# Altium PCB US_EPS_GHW.PcbDoc (part 3 of 3)
Units mm, origin at the board's own origin, x right, y up, seen from the top; angles counter-clockwise.
Board outline 89 x 93.3 mm, 4 copper layers (Top Layer, Ground Plane, Signal Layer 1, Bottom Layer), stack 1.643 mm thick; 363 components, 215 nets, 1168 pads, 510 vias.
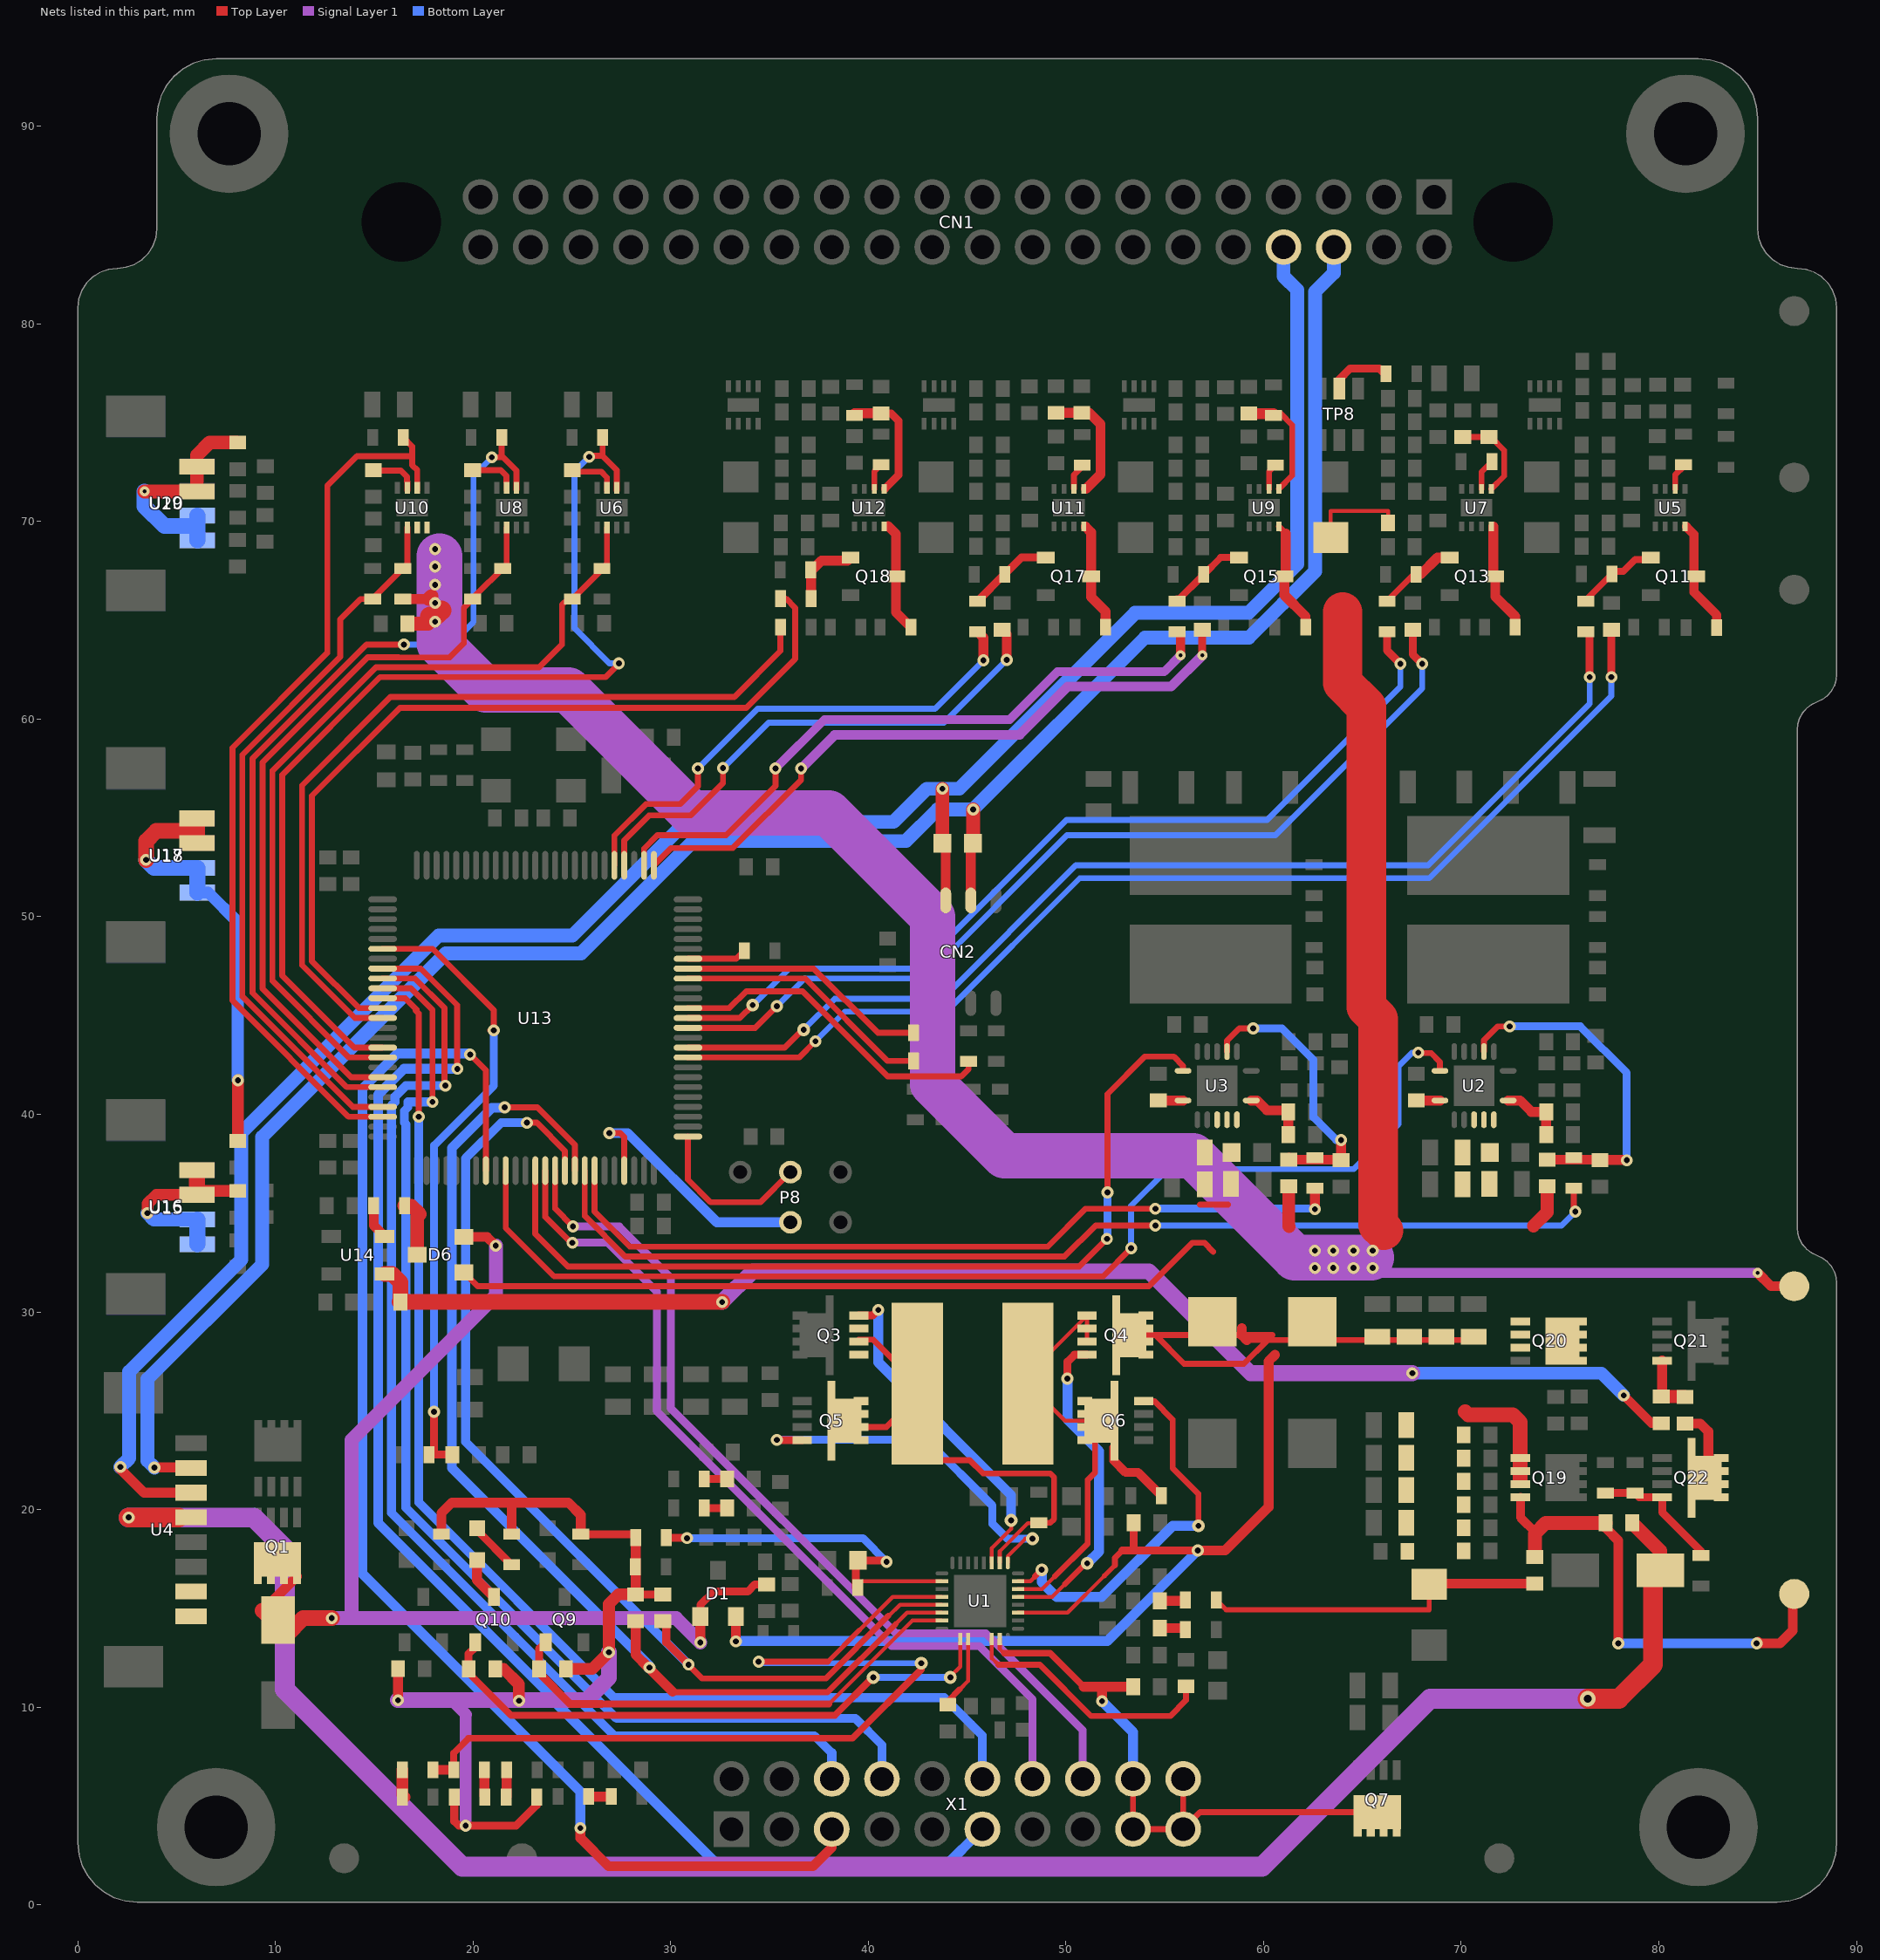
[diagram p5: the nets of this part, all layers, seen from the top]

## Via types
v1: diameter 0.605, hole 0.3, Top Layer to Bottom Layer, tented both sides, 438 vias
v2: diameter 0.65, hole 0.3, Top Layer to Bottom Layer, tented both sides, 23 vias
v3: diameter 0.605, hole 0.3, Top Layer to Bottom Layer, 16 vias
v4: diameter 0.605, hole 0.3, Top Layer to Bottom Layer, tented bottom, 14 vias
v5: diameter 0.51, hole 0.2, Top Layer to Bottom Layer, tented bottom, 10 vias
v6: diameter 0.51, hole 0.2, Top Layer to Bottom Layer, tented both sides, 8 vias
v7: diameter 0.8, hole 0.4, Top Layer to Bottom Layer, tented both sides, 1 vias

## Nets (pads, with @x,y where several pads share a name; then routed paths per layer and width w, separated by ;. In a path a pad name is that pad's centre, name@x,y a point inside that pad or via, vN(x,y) a via of type N, cw(c..) or ccw(c..) an arc to the next point about the centre after c; other vN are vias at no path point) (continued)
NetD4_1: D4.1 Q10.3 | length 2.2
  Top Layer w0.5: D4.1@20.2,17.45 20.2,16.425 Q10.3@21.05,15.575
NetD4_2: D4.2 R43.1 | length 2.6
  Top Layer w0.4: D4.2@20.2,19.05 20.2,18.95 R43.1@21.95,17.2
NetD6_3: D6.3 R143.1 | length 3.1
  Top Layer w0.7: R143.1@16.525,35.375 16.875,35.375 17.3,34.95 17.175,34.825 D6.3@17.175,32.9
NetD7_2: D7.2 R150.1 U4.5 | length 103.3
  Top Layer w0.7: R150.1@78.65,19.325 80.075,17.9 D7.2@80.075,16.925
  Top Layer w1: v1(2.575,19.6) U4.5@5.1,19.6 ; v7(76.4,10.425) 77.975,10.425 79.7,12.15 79.7,16.55 D7.2@80.075,16.925
  Signal Layer 1 w1: v1(2.575,19.6) 8.9,19.6 10.475,18.025 10.475,10.9 19.45,1.925 59.925,1.925 68.425,10.425 v7(76.4,10.425)
NetL1_1: L1.1 Q3.1 Q5.3 R8.2 U1.10 | length 23.6
  Top Layer w0.2: U1.10@46.65,17.3 46.65,17.884 48.066,19.3 R8.2@48.275,19.3
  Top Layer w0.3: Q3.1@39.52,28.595 40.255,28.595 L1.1@42.475,26.375 L1.1@42.475,25.725 ; Q5.3@39.675,24.17 40.92,24.17 L1.1@42.475,25.725 ; R8.2@48.625,19.325 49.2,19.325 49.4,19.525 49.4,21.625 49.2,21.825 45.8,21.825 45.125,22.5 43.575,22.5 42.475,23.6 L1.1@42.475,25.725
NetL1_2: L1.2 Q4.1 Q6.3 R9.2 U1.6 | length 25.3
  Top Layer w0.2: U1.6@47.575,15.975 48.791,15.975 49.441,16.625 ; Q4.1@51.065,28.495 Q4.1@51.065,29.155 Q4.1@51.065,29.815 48.075,26.825 L1.2@48.075,26.375 49.95,24.5 Q6.3@51.762,24.5
  Top Layer w0.3: 49.441,16.625 51.1,18.284 51.1,21.502 51.475,21.877 Q6.3@51.475,24.213
  Top Layer w0.4: Q6.3@51.475,24.213 Q6.3@51.762,24.5
  Top Layer w0.45: Q6.3@52.425,23.133 52.425,22.475 53.025,21.875 53.65,21.875 R9.2@54.825,20.7 R9.2@54.825,20.6
NetP8_3: P8.3 U13.76 | length 8.5
  Top Layer w0.3: U13.76@30.875,38.875 30.875,36.7 32.025,35.55 34.535,35.55 P8.3@36.06,37.075
NetP8_4: P8.4 U13.72 | length 13.6
  Top Layer w0.3: v1(26.9,39.05) 27.45,39.05 27.65,38.85 U13.72@27.65,37.15
  Bottom Layer w0.5: v1(26.9,39.05) 27.825,39.05 32.34,34.535 P8.4@36.06,34.535
NetQ3_2: Q3.2 U1.11 | length 17.3
  Top Layer w0.2: U1.11@46.25,17.3 46.25,18.05 47.225,19.025 v2(47.225,19.45) 47.05,19.45 47.025,19.475 v2@47.05,19.5
  Top Layer w0.4: Q3.2@39.52,29.815 40.215,29.815 v1(40.5,30.1)
  Bottom Layer w0.3: v1@40.5,29.95 v1(40.5,30.1)
  Bottom Layer w0.5: v1@40.5,29.95 40.5,27.45 47.225,20.725 v2(47.225,19.45)
NetQ4_2: Q4.2 U1.5 | length 16.5
  Top Layer w0.2: U1.5@47.575,15.575 49.3,15.575 49.95,16.225
  Top Layer w0.3: 49.95,16.225 51.001,17.276 v2(51.077,17.276)
  Top Layer w0.4: v1(50.075,26.625) 50.075,27.475 50.435,27.835 Q4.2@51.065,27.835
  Bottom Layer w0.5: v1(50.075,26.625) 50.075,24.55 51.675,22.95 51.675,17.873 v2(51.077,17.276)
NetQ5_2: Q5.2 U1.9 | length 18.8
  Top Layer w0.2: U1.9@47.05,17.3 47.05,17.625 47.95,18.525 v2(48.301,18.525)
  Top Layer w0.4: v1(35.375,23.525) 35.39,23.51 Q5.2@36.65,23.51
  Bottom Layer w0.4: v1(35.375,23.525) 42.95,23.525 46.275,20.2 46.275,19.275 47.025,18.525 v2(48.301,18.525)
NetQ6_2: Q6.2 U1.7 | length 19.6
  Top Layer w0.2: U1.7@47.575,16.375 48.2,16.375 48.425,16.6
  Top Layer w0.3: 48.425,16.6 v2(48.775,16.95) ; Q6.2@53.907,25.49 Q6.2@53.935,25.49 54.467,25.49 55.4,24.557 55.4,22.1 56.7,20.8 v2(56.7,19.175)
  Bottom Layer w0.5: v2(48.775,16.95) 48.775,16.325 49.525,15.575 51.8,15.575 55.4,19.175 v2(56.7,19.175)
NetQ11_1: Q11.1 R79.1 R81.1 | length 5.9
  Top Layer w0.3: R79.1@76.3,65.975 76.3,66.022 R81.1@77.625,67.347 ; R79.1@76.475,66.175 R81.1@77.775,67.475
  Top Layer w0.35: R81.1@77.775,67.475 78.2,67.475 78.8,68.075 79.5,68.075 Q11.1@79.6,68.175
NetQ11_3: Q11.3 R78.2 U5.4 | length 5.6
  Top Layer w0.45: U5.4@81.4,69.75 81.4,69.725 81.775,69.35 81.775,66.425 82.925,65.275 R78.2@82.925,64.825
NetQ13_1: Q13.1 R97.1 R98.2 | length 4.2
  Top Layer w0.3: R97.1@66.375,65.975 R97.1@66.25,65.975 67.6,67.325 R98.2@67.725,67.325
  Top Layer w0.5: R98.2@67.725,67.325 67.95,67.325 68.8,68.175 Q13.1@69.425,68.175
NetQ13_3: Q13.3 R96.1 U7.4 | length 5.6
  Top Layer w0.5: U7.4@71.625,69.75 71.625,67.325 Q13.3@71.725,67.225 71.725,66.2 72.725,65.2 R96.1@72.725,64.65
NetQ15_1: Q15.1 R112.1 R114.2 | length 4.1
  Top Layer w0.35: R112.1@55.625,65.975 R114.2@56.975,67.325 57.825,68.175 Q15.1@58.75,68.175
  Top Layer w0.5: R112.1@55.625,65.975 R112.1@55.625,66.011 ; R114.2@56.939,67.325 R114.2@56.975,67.325
NetQ15_3: Q15.3 R111.1 U9.4 | length 5.7
  Top Layer w0.3: U9.4@60.775,69.75 61.125,69.4 ; Q15.3@61.05,67.225 Q15.3@61.125,67.3
  Top Layer w0.5: Q15.3@61.05,67.225 61.05,66.275 62.125,65.2 R111.1@62.125,64.65 ; Q15.3@61.125,67.3 61.125,69.4
NetQ17_1: Q17.1 R128.1 R129.2 | length 4.4
  Top Layer w0.4: R128.1@45.525,65.975 46.875,67.325 R129.2@46.9,67.325 47.75,68.175 Q17.1@48.975,68.175
NetQ17_3: Q17.3 R126.1 U11.4 | length 5.5
  Top Layer w0.4: U11.4@50.95,69.725 U11.4@50.95,69.75
  Top Layer w0.5: U11.4@51,69.75 51,69.725 51.275,69.45 Q17.3@51.275,67.225 51.275,66.175 52,65.45 R126.1@52,64.65
NetQ18_1: Q18.1 R140.1 R141.2 | length 3.7
  Top Layer w0.5: R140.1@37.1,66.125 37.1,67.541 R141.2@37.091,67.55 37.161,67.55 37.636,68.025 38.95,68.025 Q18.1@39.1,68.175
NetQ18_3: Q18.3 R139.1 U12.4 | length 5.6
  Top Layer w0.5: 41,69.775 41.4,69.375 Q18.3@41.4,67.225 41.4,65.4 R139.1@42.15,64.65
NetQ19_2: Q19.2 R150.2 R151.2 TP12.0 | length 24.6
  Top Layer w0.45: Q19.2@73,20.62 73,19.6 73.775,18.825 ; R151.2@73.725,17.6 R151.2@73.775,17.65
  Top Layer w0.5: R150.2@77.3,19.325 77.3,19.075 77.95,18.425 v1(77.95,13.225) ; v1@85.025,13.3 v1(84.95,13.225) 86.125,13.225 86.775,13.875 TP12.0@86.775,15.725
  Top Layer w0.7: R151.2@73.725,17.6 73.725,18.775 73.775,18.825 74.275,19.325 R150.2@77.3,19.325
  Bottom Layer w0.5: v1(77.95,13.225) v1(84.95,13.225)
NetQ21_2: Q21.2 R154.1 R155.2 | length 3
  Top Layer w0.5: R154.1@80.125,25.714 80.167,25.756 Q21.2@80.167,27.535
  Top Layer w0.65: R154.1@80.125,25.714 81.311,25.714 R155.2@81.325,25.7
NetQ22_2: Q22.2 R156.1 R157.1 R158.2 | length 6.7
  Top Layer w0.4: R157.1@77.3,20.832 R156.1@78.8,20.832 79.012,20.62 Q22.2@80.167,20.62 80.167,19.858 82.125,17.9 R158.2@82.125,17.675
NetQ22_3: Q22.3 R155.1 | length 3.9
  Top Layer w0.5: R155.1@81.325,24.35 82.1,24.35 82.5,23.95 82.5,22.072 82.175,21.747 Q22.3@82.312,21.61
NetR3_1: R3.1 R6.2 | length 1.3
  Top Layer w0.3: R6.2@32.775,19.925 R6.2@32.875,19.825
  Top Layer w0.4: R3.1@31.7,20.075 R6.2@32.85,20.075
NetR4_1: R4.1 R7.2 | length 1.2
  Top Layer w0.254: R7.2@32.85,21.55 R7.2@32.875,21.55
  Top Layer w0.4: R4.1@31.7,21.55 R7.2@32.85,21.55
NetR11_1: R11.1 R12.2 | length 1.3
  Top Layer w0.32: R12.2@56,15.375 R12.2@56.05,15.425
  Top Layer w0.5: R11.1@54.75,15.375 R12.2@56,15.375
NetR15_1: R15.1 R16.2 | length 1.3
  Top Layer w0.32: R16.2@55.975,14 R16.2@56.05,13.925
  Top Layer w0.5: R15.1@54.75,14 R16.2@55.975,14
NetR20_1: R20.1 R120.2 U13.31 | length 32.1
  Top Layer w0.3: U13.31@15.425,48.375 17.95,48.375 21.05,45.275 v1(21.05,44.25) v1@20.875,44.25
  Top Layer w0.4: v1(18.025,24.95) 18.025,23.025 R20.1@17.775,22.775 R120.2@18.95,22.775
  Bottom Layer w0.4: v1(18.025,24.95) 18.025,38.425 21.05,41.45 v1(21.05,44.25)
NetR23_2: R23.2 U1.30 | length 13
  Top Layer w0.2: U1.30@46.25,13.45 46.25,12.475 46.575,12.15
  Top Layer w0.3: 46.575,12.15 48.675,12.15 51.275,9.55 55.275,9.55 56.075,10.35 R23.2@56.075,11.05
NetR26_1: R26.1 U1.22 U13.67 | length 59.3
  Top Layer w0.2: 41.385,14.207 41.953,14.775 U1.22@43.725,14.775
  Top Layer w0.3: v1(21.6,40.35) 23.25,40.35 25.15,38.45 U13.67@25.15,37.15 ; v1@28.85,12.025 28.875,12 v1@28.9,11.975 ; 30.125,10.75 37.928,10.75 41.385,14.207
  Top Layer w0.5: R26.1@28.225,14.35 28.225,12.65 v1@28.85,12.025 ; v1@28.875,12 v1(28.925,12) ; v1@28.9,11.975 30.099,10.776
  Bottom Layer w0.5: v1(21.6,40.35) 21.578,40.328 20.953,40.328 18.925,38.3 18.925,22.1 28.925,12.1 v1(28.925,12)
NetR27_2: R27.2 U1.21 U13.66 | length 55
  Top Layer w0.2: 41.039,14.611 41.039,14.614 41.6,15.175 U1.21@43.725,15.175
  Top Layer w0.3: v1(22.725,39.575) 23.225,39.575 24.65,38.15 U13.66@24.65,37.15 ; v1(30.9,12.15) 31.602,11.448 37.843,11.448 41.007,14.611
  Top Layer w0.4: R27.2@29.775,14.35 29.775,13.275 v1(30.9,12.15)
  Bottom Layer w0.45: v1(22.725,39.575) 21.425,39.575 19.625,37.775 19.625,23.425 v1(30.9,12.15)
NetR28_2: R28.2 U1.27 | length 3.7
  Top Layer w0.2: R28.2@44.025,10.125 R28.2@44.025,10.3 ; 44.625,10.9 45.05,11.325 U1.27@45.05,13.45
  Top Layer w0.3: R28.2@44.025,10.3 44.625,10.9
NetR33_2: R33.2 U6.7 | length 2.5
  Top Layer w0.3: R33.2@25.025,72.525 26.475,72.525 26.775,72.225 U6.7@26.775,71.7 U6.7@26.775,71.575
NetR37_1: R37.1 R40.2 | length 1.4
  Top Layer w0.5: R37.1@21.675,5.45 21.7,5.475 R40.2@21.7,6.825
NetR38_1: R38.1 R41.2 | length 1.3
  Top Layer w0.5: R38.1@20.575,5.525 R41.2@20.575,6.825
NetR47_1: R47.1 R49.2 | length 1.2
  Top Layer w0.5: R47.1@25.85,5.475 R49.2@27,5.475
NetR48_1: R48.1 R50.2 | length 1.4
  Top Layer w0.6: R48.1@16.425,6.825 16.425,5.55 R50.2@16.525,5.45
NetR51_1: R51.1 R52.1 R55.2 U2.10 | length 17.5
  Top Layer w0.3: U2.10@71.15,43.175 71.15,43.75 71.85,44.45 v1(72.45,44.45)
  Top Layer w0.5: R51.1@74.35,37.7 77.011,37.7 R55.2@77.025,37.686 78.364,37.686 v1(78.375,37.675)
  Bottom Layer w0.4: v1(72.45,44.45) 76.025,44.45 78.375,42.1 v1(78.375,37.675)
NetR52_2: R52.2 U13.68 | length 55.4
  Top Layer w0.3: U13.68@25.65,37.15 25.65,34.85 27.7,32.8 49.925,32.8 51.5,34.375 v1(54.525,34.375) ; R52.2@75.7,36.25 75.7,35.15 v1(75.775,35.075)
  Bottom Layer w0.3: v1(54.525,34.375) 75.075,34.375 v1(75.775,35.075)
NetR53_1: R53.1 R58.2 U2.7 | length 3.3
  Top Layer w0.5: U2.7@72.375,40.7 72.975,40.7 73.55,40.125 R53.1@74.3,40.125 R58.2@74.3,38.968
NetR56_2: R56.2 U2.1 | length 1.2
  Top Layer w0.5: R56.2@67.725,40.7 U2.1@68.925,40.7
NetR60_1: R60.1 R61.1 R64.2 U3.10 | length 14.4
  Top Layer w0.3: U3.10@58.15,43.175 58.15,43.725 58.775,44.35 v1(59.475,44.35)
  Top Layer w0.5: R60.1@61.25,37.75 R60.1@61.3,37.8 ; R60.1@61.275,37.7 63.911,37.7 R64.2@63.925,37.686 v1(63.925,38.7)
  Bottom Layer w0.4: v1(59.475,44.35) 60.925,44.35 62.525,42.75 62.525,39.85 63.675,38.7 v1(63.925,38.7)
NetR61_2: R61.2 U13.69 | length 41.1
  Top Layer w0.3: U13.69@26.15,37.15 26.15,35.075 27.925,33.3 49.075,33.3 51,35.225 v1(54.525,35.225)
  Top Layer w0.5: v1(62.6,35.2) R61.2@62.6,36.25
  Bottom Layer w0.4: v1(54.525,35.225) 62.575,35.225 v1(62.6,35.2)
NetR62_1: R62.1 R67.2 U3.7 | length 3.3
  Top Layer w0.5: U3.7@59.375,40.7 59.675,40.7 60.175,40.2 61.2,40.2 R62.1@61.275,40.125 ; R67.2@61.25,38.968 R62.1@61.25,40.107
NetR65_2: R65.2 U3.1 | length 1.2
  Top Layer w0.5: R65.2@54.675,40.7 U3.1@55.925,40.7
NetR75_2: R75.2 U5.6 | length 1.3
  Top Layer w0.3: U5.6@80.825,71.65 80.825,72.35 R75.2@81.275,72.8
NetR76_1: R76.1 U13.84 | length 57.8
  Top Layer w0.3: U13.84@30.875,42.875 36.5,42.875 v1(37.325,43.7)
  Top Layer w0.4: v1@77.6,62.025 v1(77.6,62.125) R76.1@77.6,64.525 R76.1@77.6,64.625
  Bottom Layer w0.3: v1(37.325,43.7) 38.825,45.2 43.95,45.2 50.7,51.95 68.382,51.95 77.6,61.168 v1@77.6,62.025
NetR79_2: R79.2 U13.85 | length 56.6
  Top Layer w0.3: U13.85@30.875,43.375 35.775,43.375 36.677,44.277 v2(36.727,44.277)
  Top Layer w0.4: R79.2@76.3,64.425 76.5,64.225 v1(76.5,62.125)
  Bottom Layer w0.3: v2@36.727,44.327 v2(36.727,44.277) 38.3,45.85 43.75,45.85 50.5,52.6 68.325,52.6 76.5,60.775 v1(76.5,62.125)
NetR82_2: R82.2 R83.1 U6.2 U13.42 | length 42.1
  Top Layer w0.3: U13.42@15.425,42.875 13.725,42.875 9.848,46.752 9.848,57.387 15.086,62.625 16.02,62.625 16.023,62.623 23.348,62.623 24.5,63.775 24.5,65.775 24.8,66.075 R82.2@25.025,66.075 26.525,67.575 R83.1@26.525,67.625 26.775,67.875 U6.2@26.775,69.675
NetR84_1: R84.1 R99.2 U8.2 U13.44 | length 38.8
  Top Layer w0.3: 14.689,63.125 14.668,63.125 9.348,57.805 9.348,46.352 13.825,41.875 U13.44@15.425,41.875 ; 14.69,63.126 16.227,63.126 16.23,63.123 18.822,63.123 19.531,63.831 19.531,65.631 R99.2@19.975,66.075 19.975,66.1 21.7,67.825 U8.2@21.7,69.7
NetR85_2: R85.2 U8.7 | length 2.6
  Top Layer w0.3: R85.2@19.95,72.6 19.952,72.598 21.402,72.598 21.685,72.315 21.685,71.99 21.7,71.975 U8.7@21.7,71.7 U8.7@21.7,71.6
NetR87_1: R87.1 U6.6 U13.41 | length 51.3
  Top Layer w0.3: U13.41@15.425,43.375 13.993,43.375 10.348,47.02 10.348,57.18 15.293,62.125 15.813,62.125 15.816,62.123 26.698,62.123 27.375,62.8 v1(27.375,62.825) ; v1(25.875,73.275) 25.925,73.325 26.55,73.325 ; 26.55,73.825 26.55,73.325 ; U6.6@27.275,71.575 U6.6@27.275,71.7 27.275,72.6 26.55,73.325
  Bottom Layer w0.3: v1(25.875,73.275) 25.125,72.525 25.125,64.6 26.9,62.825 v1(27.375,62.825)
NetR90_2: R90.2 TP8.5 | length 3.3
  Top Layer w0.4: TP8.5@63.775,76.675 TP8.5@63.825,76.725 63.825,77.191 64.384,77.75 65.85,77.75 R90.2@66.2,77.4
NetR92_2: R92.2 U7.6 | length 1.6
  Top Layer w0.3: U7.6@71.025,71.65 71.025,72.5 R92.2@71.55,73.025
NetR93_1: R93.1 R95.2 U7.5 | length 4.6
  Top Layer w0.3: R95.2@70.075,74.275 R93.1@71.4,74.275 71.495,74.275 72.175,73.595 72.175,72.3 U7.5@71.525,71.65
NetR94_2: R94.2 U13.87 | length 47.5
  Top Layer w0.3: U13.87@30.875,44.375 34.275,44.375 v1(35.375,45.475)
  Top Layer w0.4: R94.2@67.55,64.525 67.55,63.275 v1(68.025,62.8)
  Bottom Layer w0.3: v1@35.45,45.475 v1(35.375,45.475) 36.775,46.875 42.8,46.875 50.05,54.125 60.6,54.125 68.025,61.55 v1(68.025,62.8)
NetR97_2: R97.2 U13.88 | length 46.1
  Top Layer w0.3: U13.88@30.875,44.875 33.5,44.875 v2(34.15,45.525)
  Top Layer w0.4: R97.2@66.25,64.425 66.25,63.475 v1(66.925,62.8)
  Bottom Layer w0.3: v2(34.15,45.525) 36,47.375 42.5,47.375 50.025,54.9 60.175,54.9 66.925,61.65 v1(66.925,62.8)
NetR101_1: R101.1 R105.2 U10.2 U13.47 | length 37
  Top Layer w0.3: U13.47@15.425,40.375 13.911,40.375 8.325,45.961 8.325,58.196 13.275,63.146 13.275,65.05 14.3,66.075 R105.2@14.925,66.075 14.925,66.1 16.675,67.85 U10.2@16.675,69.7
NetR104_2: R104.2 U10.7 | length 2.5
  Top Layer w0.3: R104.2@14.95,72.575 16.35,72.575 16.66,72.265 16.66,72.04 16.675,72.025 U10.7@16.675,71.7 U10.7@16.675,71.575
NetR107_1: R107.1 U8.6 U13.45 | length 46.7
  Top Layer w0.3: U13.45@15.425,41.375 13.618,41.375 8.848,46.145 8.848,58.012 14.611,63.775 v1(16.5,63.775) ; v1(20.95,73.25) 21.375,73.25 21.45,73.325 ; R107.1@21.45,74.25 21.45,73.325 ; U8.6@22.2,71.6 U8.6@22.2,71.7 22.2,72.575 21.45,73.325
  Bottom Layer w0.3: v1(16.5,63.775) 18.831,63.775 18.856,63.8 18.878,63.778 20.025,64.925 20.025,72.325 v1(20.95,73.25)
NetR108_1: R108.1 U9.6 | length 1.3
  Top Layer w0.3: U9.6@60.275,71.65 60.275,72.525 R108.1@60.6,72.85
NetR109_2: R109.2 R113.2 U9.5 | length 5.9
  Top Layer w0.3: R113.2@60.5,75.464 60.861,75.464 61.45,74.875 61.45,72.325 U9.5@60.775,71.65
  Top Layer w0.55: R109.2@59.25,75.464 R113.2@60.5,75.464
NetR110_2: R110.2 U13.1 | length 33.9
  Top Layer w0.3: U13.1@29.15,52.6 30.025,53.475 33.15,53.475 36.6,56.925 v1@36.6,57.425 ; R110.2@56.9,64.525 R110.2@56.9,64.7
  Top Layer w0.4: v6(56.9,63.225) R110.2@56.9,64.525
  Signal Layer 1 w0.5: v1(36.6,57.5) 38.3,59.2 47.65,59.2 50.1,61.65 55.325,61.65 v6(56.9,63.225)
NetR112_2: R112.2 U13.2 | length 33.9
  Top Layer w0.3: U13.2@28.65,52.6 28.65,53.45 29.325,54.125 32.8,54.125 35.3,56.625 v1(35.3,57.5) ; R112.2@55.575,64.375 R112.2@55.625,64.425 R112.2@55.8,64.25
  Top Layer w0.45: v6(55.8,63.225) R112.2@55.8,64.25
  Signal Layer 1 w0.45: v1(35.3,57.5) 37.775,59.975 47.15,59.975 49.575,62.4 54.975,62.4 v6(55.8,63.225)
NetR118_2: R118.2 U13.94 | length 3
  Top Layer w0.3: U13.94@30.875,47.875 33.325,47.875 R118.2@33.725,48.275
NetR121_1: R121.1 U11.6 | length 1.4
  Top Layer w0.3: U11.6@50.4,71.65 50.4,72.35 R121.1@50.875,72.825
NetR122_2: R122.2 R127.2 U11.5 | length 6.1
  Top Layer w0.5: R127.2@49.5,75.5 R122.2@50.8,75.5 51.175,75.5 51.75,74.925 51.75,72.389 51.011,71.65 U11.5@51,71.65
NetR123_2: R123.2 U13.4 | length 26.6
  Top Layer w0.3: U13.4@27.65,52.6 27.65,53.864 28.911,55.125 31,55.125 32.65,56.775 v1(32.65,57.525) ; R123.2@46.775,64.525 R123.2@46.775,64.7
  Top Layer w0.5: R123.2@46.775,64.525 47,64.3 v1(47,63)
  Bottom Layer w0.3: v1(32.65,57.525) 34.95,59.825 43.825,59.825 v1(47,63)
NetR128_2: R128.2 U13.5 | length 26
  Top Layer w0.3: U13.5@27.15,52.6 27.15,54.1 28.75,55.7 30.475,55.7 31.375,56.6 v1(31.375,57.5)
  Top Layer w0.5: R128.2@45.525,64.425 45.825,64.125 v1(45.825,62.975)
  Bottom Layer w0.3: v1(31.375,57.5) 34.4,60.525 43.375,60.525 v1(45.825,62.975)
NetR130_1: R130.1 U10.6 U13.48 | length 46
  Top Layer w0.3: U13.48@15.425,39.875 13.704,39.875 7.825,45.754 7.825,58.55 12.625,63.35 12.625,71.8 14.125,73.3 16.925,73.3 ; R130.1@16.475,74.25 16.925,73.8 16.925,73.3 ; U10.6@17.175,71.575 U10.6@17.175,71.7 17.175,72.6 16.925,72.85 16.925,73.3
NetR135_1: R135.1 U12.6 | length 1.4
  Top Layer w0.3: U12.6@40.3,71.65 40.3,72.525 R135.1@40.65,72.875
NetR136_1: R136.1 R138.2 U12.5 | length 6.1
  Top Layer w0.4: R136.1@40.65,75.475 41.15,75.475 41.525,75.1 41.525,72.35 40.85,71.675 U12.5@40.85,71.65
  Top Layer w0.5: R138.2@39.3,75.475 R136.1@40.65,75.475
NetR137_2: R137.2 U13.38 | length 42.5
  Top Layer w0.3: U13.38@15.425,44.875 14.018,44.875 11.348,47.545 11.348,56.648 15.823,61.123 33.223,61.123 35.55,63.45 R137.2@35.55,64.65
NetR140_2: R140.2 U13.37 | length 43.8
  Top Layer w0.3: U13.37@15.425,45.375 14.225,45.375 11.847,47.753 11.847,56.123 16.3,60.575 33.825,60.575 36.3,63.05 36.3,65.625 35.825,66.1 R140.2@35.55,66.1
NetR143_2: R143.2 U14.3 | length 1.8
  Top Layer w0.5: R143.2@14.975,35.375 14.975,34.375 U14.3@15.525,33.825
NetR159_1: R159.1 U13.93 | length 12.8
  Top Layer w0.3: U13.93@30.875,47.375 37.232,47.375 40.482,44.125 R159.1@42.3,44.125
NetR161_1: R161.1 U13.92 | length 13.2
  Top Layer w0.3: U13.92@30.875,46.875 36.8,46.875 40.975,42.7 R161.1@42.3,42.7
NetR163_1: R163.1 U13.89 | length 16.9
  Top Layer w0.3: U13.89@30.875,45.375 32.975,45.375 33.825,46.225 36.675,46.225 40.975,41.925 44.7,41.925 45.075,42.3 R163.1@45.075,42.682
NetR166_2: R166.2 U15.3 U15.4 U16.3 U16.4 | length 10.5
  Top Layer w0.6: v1(3.525,35) 3.525,35.475 3.975,35.925 U16.3@6.025,35.925 6.225,36.125 R166.2@8.093,36.125
  Top Layer w0.8: U16.3@6.025,35.925 U16.4@6.025,37.175
  Bottom Layer w0.7: v1(3.525,35) 3.85,34.675 U15.3@6.05,34.675
  Bottom Layer w0.8: U15.4@6.05,33.425 U15.3@6.05,34.675
NetR168_2: R168.2 U17.3 U17.4 U18.3 U18.4 | length 22.8
  Top Layer w0.6: R168.2@8.093,38.65 8,38.743 8.1,38.843 v1(8.1,41.725)
  Top Layer w0.8: v1(3.45,52.875) 3.45,53.825 3.975,54.35 6.025,54.35 ; U17.3@6.025,53.725 6.025,54.35 ; U17.4@6.025,54.975 6.025,54.35
  Bottom Layer w0.6: U18.4@6.05,51.225 6.6,51.225 8.093,49.732 8.093,41.732 v1(8.1,41.725)
  Bottom Layer w0.8: v1(3.45,52.875) 3.85,52.475 U18.3@6.05,52.475 U18.4@6.05,51.225
NetR170_2: R170.2 U19.3 U19.4 U20.3 U20.4 | length 11.9
  Top Layer w0.7: v6(3.375,71.525) U19.3@6.025,71.525 U19.4@6.025,72.775 6.025,73.35 6.675,74 R170.2@8.05,74
  Bottom Layer w0.8: v6(3.375,71.525) 3.375,70.775 4.375,69.775 6.05,69.775 ; U20.4@6.05,69.05 6.05,69.775 ; U20.3@6.05,70.3 6.05,69.775
NetU2_14: U2.14 U13.60 | length 59.5
  Top Layer w0.3: U13.60@21.65,37.15 21.65,34.25 24.1,31.8 51.875,31.8 v1(53.3,33.225) ; v1(67.825,43.125) 67.85,43.1 68.475,43.1 68.925,42.65 U2.14@68.925,42.2
  Bottom Layer w0.3: v1(53.3,33.225) 53.3,35.375 55.15,37.225 64.55,37.225 66.825,39.5 66.825,42.425 67.525,43.125 v1(67.825,43.125)
NetU3_14: U3.14 U13.63 | length 45.8
  Top Layer w0.3: U13.63@23.15,37.15 23.15,33.95 24.8,32.3 50.675,32.3 v1(52.075,33.7) ; v1(52.1,36.05) 52.1,41.025 54,42.925 55.45,42.925 55.925,42.45 U3.14@55.925,42.2
  Bottom Layer w0.4: v1(52.075,33.7) 52.1,33.725 v1(52.1,36.05)
NetU13_33: U13.33 X1.11 | length 72.7
  Top Layer w0.3: U13.33@15.425,47.375 17.35,47.375 19.198,45.528 19.198,42.302 v1(19.2,42.3)
  Bottom Layer w0.5: v1(19.2,42.3) 16.497,42.3 15.198,41 15.198,19.317 23.878,10.637 23.878,10.522 32.55,1.85 43.795,1.85 X1.11@45.77,3.825
NetU13_34: U13.34 X1.6 | length 60.2
  Top Layer w0.3: U13.34@15.425,46.875 17.057,46.875 18.547,45.385 18.547,41.503 v1(18.6,41.45)
  Bottom Layer w0.45: v1(18.6,41.45) 16.602,41.45 16.046,40.894 16.046,40.619 15.873,40.446 15.873,19.827 27.15,8.55 37.275,8.55 38.15,7.675
  Bottom Layer w0.5: X1.6@38.15,6.365 38.15,7.675
NetU13_35: U13.35 X1.8 | length 60.3
  Top Layer w0.3: U13.35@15.425,46.375 16.85,46.375 17.948,45.278 17.948,40.627 v1(17.95,40.625)
  Bottom Layer w0.45: v1(17.95,40.625) 16.696,40.625 16.696,40.35 16.522,40.176 16.522,39.574 16.6,39.496 16.6,20.091 27.266,9.425 39.35,9.425 40.69,8.085 X1.8@40.69,6.365
NetU13_36: U13.36 X1.12 | length 62.6
  Top Layer w0.3: U13.36@15.425,45.875 16.575,45.875 17.147,45.303 17.1,45.255 17.25,45.105 v1(17.25,39.875)
  Bottom Layer w0.45: v1(17.25,39.875) 17.25,20.36 27.135,10.475 43.85,10.475 45.77,8.555 X1.12@45.77,6.365
NetU13_58: U13.58 X1.5 | length 69.5
  Top Layer w0.3: v1(19.85,43.025) 20.65,42.225 U13.58@20.65,37.15
  Top Layer w0.5: v1@25.425,3.825 25.425,3.375 26.85,1.95 37.2,1.95 38.15,2.9 X1.5@38.15,3.825
  Bottom Layer w0.5: v1(19.85,43.025) 19.8,43.075 16.175,43.075 14.4,41.3 14.4,16.75 25.425,5.725 v1(25.425,3.875) v1@25.425,3.825
NetU13_64: U13.64 X1.14 | length 44.8
  Top Layer w0.3: U13.64@23.65,37.15 23.65,34.802 24.951,33.502 v1(25.026,33.502) v1@25.148,33.502
  Signal Layer 1 w0.4: v1(25.026,33.502) 26.823,33.502 29.3,31.025 29.3,24.975 41.175,13.1 45.6,13.1 48.31,10.39 X1.14@48.31,6.365
NetU13_65: U13.65 X1.16 | length 45.9
  Top Layer w0.3: U13.65@24.15,37.15 24.15,35.225 v1(25.05,34.325)
  Signal Layer 1 w0.3: X1.16@50.85,6.365 X1.16@50.85,6.462
  Signal Layer 1 w0.4: v1(25.05,34.325) 27.4,34.325 30,31.725 30,25.124 41.399,13.725 45.95,13.725 50.85,8.825 X1.16@50.85,6.462
OTGEN: R41.1 R48.2 U1.20 | length 46.5
  Top Layer w0.2: 39.55,13.9 41.225,15.575 U1.20@43.725,15.575
  Top Layer w0.25: 37.95,12.3 39.55,13.9
  Top Layer w0.3: v1(34.45,12.3) 37.95,12.3
  Top Layer w0.35: R41.1@19.025,6.825 19.025,7.675 19.775,8.425 39.197,8.425 42.675,11.903 v2(42.675,12.225)
  Top Layer w0.5: R48.2@17.975,6.825 R41.1@19.025,6.825
  Bottom Layer w0.3: v1(34.45,12.3) 34.525,12.225 v2(42.675,12.225)
OTGPG: Q10.1 R46.1 U1.26 | length 30.1
  Top Layer w0.2: v2(44.15,11.5) 44.15,11.55 44.65,12.05 U1.26@44.65,13.45
  Top Layer w0.35: R46.1@19.775,11.932 19.775,11.725 21.925,9.575 38.3,9.575 40.25,11.525 v2(40.25,11.5) ; Q10.1@20.1,13.025 Q10.1@20.1,13.275
  Top Layer w0.4: R46.1@19.775,11.932 19.775,12.7 Q10.1@20.1,13.025
  Bottom Layer w0.35: v2(40.25,11.5) v2(44.15,11.5) 44.15,11.625 v2@44.2,11.625
POWER: D1.1 D5.2 D6.2 Q1.3 R13.2 U4.1 U4.2 | length 55.7
  Top Layer w0.4: D1.1@31.5,14.575 31.5,15.175 32.175,15.85 33.9,15.85 34.261,16.211 R13.2@34.85,16.211
  Top Layer w0.5: D5.2@9.362,14.888 Q1.3@11.09,16.615 ; Q1.3@10.1,17.475 Q1.3@10.35,17.725 ; D6.2@19.525,33.8 20.7,33.8 v1(21.15,33.35) ; v1(31.5,13.275) D1.1@31.5,14.575
  Top Layer w0.8: D5.2@9.362,14.888 10.575,13.675 11.4,14.5 v1(12.85,14.5)
  Signal Layer 1 w0.7: v1(12.85,14.5) 13.75,14.5 ; v1(21.15,33.35) 21.15,30.825 13.85,23.525 13.85,14.6 13.75,14.5 ; v1(31.5,13.275) 30.275,14.5 13.75,14.5
PROCHOT: Q9.1 R45.1 U1.23 | length 24.5
  Top Layer w0.2: 38,10.15 42.225,14.375 U1.23@43.725,14.375
  Top Layer w0.35: 26.5,10.15 38,10.15
  Top Layer w0.4: Q9.1@23.675,13.275 23.35,12.95 R45.1@23.35,11.932 23.35,11.725 24.925,10.15 26.5,10.15
PULLUP: R26.2 R27.1 R34.1 R36.2 R37.2 R38.2 R39.2 R42.2 R43.2 R44.2 R45.2 R46.2 | length 53.8
  Top Layer w0.4: R38.2@19.05,5.45 19.05,4.225 19.272,4.003 v1(19.627,4.003) 22.178,4.003 23.225,5.05 R37.2@23.225,5.45 ; R42.2@25.45,18.75 28.05,18.75 R36.2@28.225,18.575 ; R26.2@28.216,15.709 R26.2@28.225,15.7 R27.1@29.6,15.7 R27.1@29.775,15.7
  Top Layer w0.5: v1(16.2,10.35) R44.2@16.2,11.95 ; R39.2@18.4,18.975 18.4,19.825 18.925,20.35 24.825,20.35 25.45,19.725 R42.2@25.45,18.75 ; R43.2@21.95,18.975 21.95,20.275 ; R26.2@28.216,15.709 28.225,15.718 R36.2@28.225,18.575
  Top Layer w0.6: R46.2@21.125,11.932 21.543,11.932 22.325,11.15 v1(22.325,10.325) ; R45.2@24.7,11.932 26.032,11.932 v1(26.875,12.775) 26.875,15.225 27.359,15.709 R26.2@28.216,15.709
  Signal Layer 1 w0.6: 19.375,10.35 19.15,10.125 19.65,9.625 19.627,9.603 v1(19.627,4.003)
  Signal Layer 1 w0.8: v1(16.2,10.35) 19.375,10.35 25.75,10.35 26.875,11.475 v1(26.875,12.775)
RS485_A: CN1.6 CN2.6 R162.2 U4.7 | length 108
  Top Layer w0.4: R162.2@45.185,53.61 R162.2@45.3,53.725
  Top Layer w0.5: v1(3.875,22.125) 5.7,22.125 U4.7@5.725,22.1 U4.7@5.875,22.1 ; CN2.6@45.185,50.825 R162.2@45.185,53.61 ; R162.2@45.3,53.725 R162.2@45.4,53.825
  Top Layer w0.7: R162.2@45.3,53.725 v1(45.3,55.425)
  Bottom Layer w0.7: v1(3.875,22.125) 3.525,22.475 3.525,26.6 9.325,32.4 9.325,38.85 18.625,48.15 25.469,48.15 31.144,53.825 41.9,53.825 43.5,55.425 v1(45.3,55.425) 54,64.125 59.253,64.125 62.6,67.472 62.6,81.625 63.55,82.575 CN1.6@63.55,83.885
RS485_B: CN1.8 CN2.7 R162.1 U4.6 | length 111.8
  Top Layer w0.5: v1(2.15,22.15) 2.1,22.1 3.35,20.85 U4.6@5.725,20.85 5.575,21 U4.6@5.5,20.925 ; R162.1@43.7,54.025 43.625,53.95 43.75,53.825 43.8,53.775 R162.1@43.75,53.725 43.915,53.56 CN2.7@43.915,50.825
  Top Layer w0.7: R162.1@43.75,53.725 43.75,53.825 v1(43.75,56.475)
  Bottom Layer w0.7: v1(2.15,22.15) 2.6,22.6 2.6,26.975 8.275,32.65 8.275,39.073 18.252,49.05 25.025,49.05 30.775,54.8 41.275,54.8 42.95,56.475 v1(43.75,56.475) 44.6,56.475 53.5,65.375 59.231,65.375 61.7,67.844 61.7,81.725 61.01,82.415 CN1.8@61.01,83.885
VBAT1: C41.1 Q7.3 U1.31 X1.17 X1.18 X1.19 X1.20 | length 31.3
  Top Layer w0.2: U1.31@46.65,13.45 46.65,12.941 46.866,12.725
  Top Layer w0.3: X1.18@53.39,6.365 X1.17@53.39,3.825 X1.19@55.93,3.825 ; X1.20@55.93,6.365 X1.19@55.93,3.825 ; Q7.3@65.75,4.685 56.79,4.685 X1.19@55.93,3.825
  Top Layer w0.32: 46.866,12.725 49.2,12.725 50.9,11.025
  Top Layer w0.5: 50.9,11.025 51.775,11.025 ; v1(51.825,10.3) 51.825,10.975 51.775,11.025 ; C41.1@53.4,11.025 51.775,11.025
  Bottom Layer w0.3: X1.20@55.825,6.47 X1.20@55.93,6.365
  Bottom Layer w0.5: v1(51.825,10.3) 53.39,8.735 X1.18@53.39,6.365
VDD_ISL: C39.2 R24.2 R36.1 U1.18 | length 18.9
  Top Layer w0.2: R24.2@39.475,16.15 39.7,16.375 U1.18@43.725,16.375 ; v1@40.9,17.325 v1(40.925,17.35)
  Top Layer w0.4: R36.1@29.775,18.575 30.8,18.575 v1(30.825,18.55) ; R24.2@39.375,16.05 39.375,17.325 C39.2@39.475,17.425 40.85,17.425 v1(40.925,17.35)
  Bottom Layer w0.4: v1(30.825,18.55) 39.725,18.55 v1(40.925,17.35)
VSYS: C46.2 C47.2 C48.2 C49.2 C58.2 C59.2 C60.2 C61.2 C78.2 D6.1 Q20.3 R51.2 R60.2 R86.1 R88.2 R101.2 TP13.0 U2.4 U2.5 U2.6 U3.4 U3.5 U3.6 U10.3 U10.4 | length 176.4
  Top Layer w0.2: R86.1@63.4,69.163 R86.1@63.4,69.187 63.4,70.525 66.3,70.525 R88.2@66.3,69.925
  Top Layer w0.3: D6.1@19.525,32 20.225,31.3 54.2,31.3 56.4,33.5 57,33.5 57.45,33.05 ; 56.775,35.425 58.2,35.425
  Top Layer w0.5: R101.2@16.45,66.075 17.75,66.075 ; v6(85,31.975) 85.675,31.3 TP13.0@86.85,31.3
  Top Layer w0.65: R60.2@61.275,36.35 61.275,34.35 61.3,34.325 ; 73.65,34.35 74.35,35.05 R51.2@74.35,36.35
  Top Layer w0.7: C78.2@16.675,64.825 17.725,64.825 ; 17.75,66.075 17.9,66.225
  Top Layer w1: 17.825,65.2 18.062,65.2 18.142,65.28 18.146,65.284 18.189,65.322 18.31,65.429 18.399,65.508
  Top Layer w2: 64,65.425 64,61.825 65.2,60.625 65.2,45.425 65.8,44.825 65.8,34.4 66.075,34.125
  Signal Layer 1 w0.5: v1(65.525,32.225) 65.775,31.975 v6(85,31.975)
  Signal Layer 1 w2.3: 18.3,68.25 18.3,63.825 20.65,61.475 24.825,61.475 31.05,55.25 38,55.25 43.25,50 43.25,41.55 46.9,37.9 56.425,37.9 61.575,32.75 65.45,32.75
  other v1: 62.6,32.225 63.525,32.225 64.55,32.225 62.6,33.1 63.525,33.1 64.55,33.1 65.525,33.1 18.075,64.925 18.075,65.875 18.075,66.8 18.075,67.725 18.075,68.6
VSYS_IN: C1.1 C2.2 C3.2 C4.2 C5.2 C6.2 C7.2 C8.2 C9.2 C10.2 C11.2 C12.2 C13.2 C14.2 C15.2 C16.2 C17.1 C30.2 C127.2 D1.2 Q4.3 Q19.1 Q20.1 R12.1 R14.2 R151.1 R154.2 U1.3 U14.1 | length 170.1
  Top Layer w0.2: U1.3@47.575,14.775 50.075,14.775 51.95,16.65 ; R14.2@68.55,15.865 R14.2@68.625,15.94
  Top Layer w0.25: 51.95,16.65 52.475,17.175
  Top Layer w0.254: R12.1@57.6,15.425 58.1,14.925 68.375,14.925 R14.2@68.375,16.213
  Top Layer w0.3: 52.475,17.175 52.475,17.55 52.85,17.925 ; Q4.3@53.21,28.825 54.525,28.825 ; 59.15,28.575 60.2,28.575 ; 69.95,28.575 60.2,28.575 ; 54.525,28.825 55.975,27.375 59,27.375 60.2,28.575 ; 54.525,28.825 58.9,28.825 60.45,28.825 60.2,28.575
  Top Layer w0.4: 52.85,17.925 53.525,17.925 ; C30.2@53.425,19.325 53.425,18.025 53.525,17.925 ; v1(56.675,17.925) 53.525,17.925
  Top Layer w0.45: v1(78.225,25.775) 79.636,24.364 R154.2@80.125,24.364
  Top Layer w0.5: v1(33.3,13.325) D1.2@33.3,14.575 ; v1(56.675,17.925) 58.05,17.925 60.25,20.125 60.25,27.5 60.575,27.825 ; 58.9,29.175 58.9,28.825 59.15,28.575 ; R14.2@68.375,16.213 68.412,16.25 R151.1@73.725,16.25
  Top Layer w0.75: 70.2,24.95 70.35,24.8 72.6,24.8 72.975,24.425 72.975,21.5
  Top Layer w0.8: U14.1@15.525,31.925 15.9,31.925 16.325,31.5 C127.2@16.325,30.5 ; C127.2@16.275,30.5 C127.2@16.325,30.5 ; v1(32.6,30.5) C127.2@16.325,30.5
  Signal Layer 1 w0.8: v1(32.6,30.5) 34.15,32.05 54.2,32.05 59.35,26.9 v1(67.525,26.9)
  Bottom Layer w0.5: v1(33.3,13.325) 33.325,13.35 52.1,13.35 v1(56.675,17.925)
  Bottom Layer w0.65: v1(67.525,26.9) 77.1,26.9 v1(78.225,25.775)
pads on no net: CN1.31 CN1.32 CN1.33 CN1.34 CN1.35 CN1.36 CN1.37 CN1.38 CN1.39 CN1.40 CN1.PMNT1 CN1.PMNT2 U4.0 U13.7 U13.10 U13.11 U13.40 U13.43 U13.46 U13.51 U13.52 U13.53 U13.54 U13.55 U13.56 U13.57 U13.59 U13.61 U13.62 U13.70 U13.71 U13.78 U13.79 U13.90 U13.91 U13.97 U15.5 U16.5 U17.5 U18.5 U19.5 U20.5 X1.7 X1.13 X1.15

## Polygon pours and split planes (outlines as drawn)
DGND on Bottom Layer "TopLayer_DGND" (solid, pour order 18): 0,61.125 35.9,61.125 38.9,58.125 38.9,40.9 47.8,40.9 56.275,32.425 80,32.425 81.3,31.125 81.3,25.425 89.5,25.425 89.5,-0.075 0,-0.075
GND on Bottom Layer "GND_layer" (solid, pour order 28): -0.975,61.125 15.5,61.125 35.9,61.125 38.9,58.125 39,58.025 39,39.625 39.375,39.25 47.884,39.25 54.709,32.425 80,32.425 81.3,31.125 81.3,25.425 90,25.425 90,95.125 -0.975,95.125
3V3_MCU on Signal Layer 1 "Power_3V3MCU_layer" (solid, pour order 26): 11.359,57.375 23.937,57.375 28.662,52.65 36.186,52.65 38.6,50.375 38.6,42.4 38.6,35.725 35.736,32.861 16.811,32.861 14.65,30.7 14.3,30.35 10.875,30.35 8.55,32.675 8.55,54.634
5V on Signal Layer 1 "5V" (solid, pour order 38): 19.855,63.5 19.75,80.3 33.275,80.3 37.2,76.375 59,76.375 59.75,75.625 77,75.625 80,75.625 81.275,75.625 84.121,72.779 84.121,65.571 82.175,63.625 78.25,63.625 78.25,60.125 76.25,58.125 69,58.125 68.5,58.125 68.5,61.875 71.5,61.875 72,62.375 72,69.125 71.75,69.375 71.25,69.875 37.5,69.875 37,69.375 37,64.875 35.5,63.375 32.25,63.375 31.5,64.125 31.5,70.375 31.5,71.675 30.025,73.15 25.5,73.15 25.5,63.5
3V3 on Signal Layer 1 "3V3" (solid, pour order 40): 25.75,73.125 30.025,73.125 31.5,71.65 31.5,64.125 32.25,63.375 34.75,63.375 35.928,63.375 37.25,64.697 37.25,68.725 37.25,69.2 37.975,69.925 38.025,69.875 41.25,69.875 70.5,69.875 71.5,68.875 71.75,68.625 71.75,62.625 71.75,62.375 71.25,61.875 64.25,61.875 63,61.875 62.75,61.625 62.75,57.375 53.25,57.375 51.75,58.875 32.25,58.875 30.35,58.875 25.75,63.475
DGND on Top Layer "DGND_layer" (solid, pour order 34): -0.95,61.125 36,61.125 39,58.125 39,41.15 48.5,41.15 48.5,34.625 50.5,32.625 80,32.625 81.5,31.125 81.5,25.625 90,25.625 90,-0.375 -0.95,-0.375
GND on Top Layer "GND_layer" (solid, pour order 36): -0.95,61.125 36,61.125 39,58.125 39,41.175 48.5,41.175 48.5,34.625 50.5,32.625 80,32.625 81.5,31.125 81.5,25.625 90,25.625 90,95.125 -0.95,95.125
DGND on Ground Plane (split plane): 38.848,58.421 38.848,43.375 38.848,41.775 38.856,41.71 38.882,41.649 38.922,41.597 39.522,40.997 39.574,40.957 39.635,40.931 39.7,40.923 47.096,40.923 48.423,39.596 48.423,34.725 48.431,34.66 48.457,34.599 48.497,34.547 50.397,32.647 50.426,32.624 50.449,32.607 50.467,32.599 50.51,32.581 50.575,32.573 79.846,32.573 81.348,31.071 81.348,25.775 81.356,25.71 81.382,25.649 81.422,25.597 81.447,25.572 81.499,25.532 81.56,25.506 81.625,25.498 88.49,25.498 88.49,3.15 88.439,2.64 88.298,2.173 88.068,1.743 87.759,1.366 87.382,1.057 86.952,0.827 86.485,0.686 85.975,0.635 3.025,0.635 2.515,0.686 2.048,0.827 1.618,1.057 1.241,1.366 0.932,1.743 0.702,2.173 0.561,2.64 0.51,3.15 0.51,29.775 0.51,30.818 6.05,30.818 6.115,30.827 6.176,30.852 6.228,30.892 6.268,30.944 6.294,31.005 6.302,31.071 6.302,61.005 36.264,61.005
GND on Ground Plane (split plane): 265 vertices, not listed, extent 0.51,26.002 88.49,92.915

## Other copper
Top Layer:
  region net 3V3: 27.15,70 28.625,70 29.075,69.55 29.075,64.425 27.3,64.425 27.3,66.25 27.3,69.3 27.15,69.45
  region net 5V: 22.05,70 22.875,70 24.05,68.825 24.05,64.425 22.225,64.425 22.225,66.2 22.225,68.85 22.05,69.025
  region net VSYS: 17.025,70 17.9,70 19.15,68.75 19.15,64.425 17.125,64.425 17.125,68.975 17.025,69.075
  region net 5V_CH5: 29.9,75.125 30.625,75.85 31.875,75.85 31.875,73.525 31.6,73.25 31.575,73.275 30.2,73.275 29.9,73.575
  region net 5V: 31.825,63.925 34.85,63.925 34.456,63.475 32.163,63.475
  region net 7V4: 17.525,71.35 17.925,71.35 18.2,71.625 19.1,72.525 19.1,74.225 18.675,74.65 17.525,74.65
  region net 5V_CH5: 33.55,76.575 32.6,76.575 31.15,75.125 29.9,75.125 29.9,76.3 32.225,78.625 33.55,78.625
  region net 5V_LINE: 22.55,71.35 22.925,71.35 23.2,71.625 23.95,72.375 23.95,74.375 23.675,74.65 22.55,74.65
  region net 3V3_LINE: 27.625,71.35 28.275,71.35 28.275,71.625 28.925,72.275 28.925,74.475 28.75,74.65 27.625,74.65
  region net 7V4_CH2: 63.175,76.2 62.25,76.2 61.6,76.85 61.6,78.675 62.61,79.685 63.175,79.175
  region net 3V3_CH3: 53.575,76.55 53.575,79.725 53.325,79.975 51.575,79.975 51.275,79.675 51.675,79.275 51.675,77.2 52.325,76.55
  region net 5V: 73.2,69.625 73.2,69.525 72.8,69.125 72.8,66.025 73.3,65.525 73.3,63.525 71.65,61.875 69.25,61.875 68.6,61.225 68.6,54.5 68.925,54.5 70.1,53.325 73,53.325 74,54.325 74,57.678 75.6,59.378 75.6,59.525 75.6,66.325 75.2,66.725 75.2,69.425 75,69.625
  region net VSYS: 62.6,69.625 62.3,69.325 62.3,66.425 62.9,65.825 62.9,63.925 65.1,63.925 65.1,66.825 64.6,67.325 64.6,69.325 64.3,69.625
  region net 3V3: 42.7,63.9 42.7,59.725 44.2,58.225 54.5,58.225 54.8,57.925 54.8,54.025 60,54.025 60,61.001 58.776,62.225 55.4,62.225 54.9,62.725 54.9,63.9 52.525,63.9 50.85,62.225 45.2,62.225 44.8,62.625 44.8,63.9
  region net 5V: 32.675,69.75 34.475,69.75 34.55,69.675 34.55,67.9 34.85,67.6 34.85,63.925 31.825,63.925 31.825,68.9
  region net 3V3: 52.625,69.85 54.4,69.85 54.45,69.8 54.45,68.275 54.9,67.825 54.9,63.9 52.525,63.9 52.525,69.75
  region net VSYS: 74.125,27.275 77.45,27.275 77.45,32.275 74.325,35.4 65.025,35.4 64.275,34.65 59.775,34.65 58.85,35.575 56.225,35.575 56.225,33.5 58.096,31.629 72.796,31.629 74.125,30.3
  region net VSYS_IN: 72.5,21.075 73.5,21.075 73.5,23.35 72.5,23.35
  region net NetC111_2: 32.3,75.3 33.575,75.3 33.575,74.05 34.425,73.2 34.425,71.7 34.375,71.65 32.625,71.65 32.3,71.975
  region net NetC81_2: 63.225,74.725 63.225,73.55 63.625,73.15 64.35,73.15 64.35,71.75 64.3,71.7 62.45,71.7 62,72.15 62,74.475 62.25,74.725
  region net NetC69_2: 72.7,75.3 74.125,75.3 74.125,74.05 75.025,73.15 75.025,71.75 74.925,71.65 73.175,71.65 72.7,72.125
  region net NetC89_2: 52.25,75.3 53.6,75.3 53.6,74.05 54.45,73.2 54.45,71.7 54.4,71.65 52.65,71.65 52.25,72.05
  region net NetC100_2: 42.137,75.3 43.475,75.3 43.475,74.05 44.325,73.2 44.325,71.7 44.275,71.65 42.525,71.65 42.125,72.05 42.125,75.29
  region net VSYS_IN: 52.35,30.625 52.875,30.625 53.475,30.025 55.7,30.025 56.175,30.5 63.725,30.5 64.8,29.425 71.15,29.425 72,30.275 73.425,30.275 73.625,30.075 73.625,28 72.425,28 72.025,27.6 72.025,25.9 70.575,24.45 70.575,16.975 69.25,15.65 67.25,15.65 66.6,16.3 66.6,25 65.7,25.9 55.15,25.9 53.825,27.225 52.35,27.225
  region net ADP: 8.4,20.6 8.4,21.9 10.65,21.9 10.65,20.175 11.875,20.175 11.875,18.775 9.55,18.775 9.55,20.6
  region net NetC23_2: 8.75,23.175 8.25,23.675 8.25,26.675 10.65,29.075 21.6,29.075 22.5,28.175 22.5,26.425 22,25.925 13,25.925 12,24.925 12,23.675 11.5,23.175
  region net NetL1_2: 51.55,30 48.525,30 48.525,27.75 49.55,27.75 50.1,28.3 51.55,28.3
  region net NetC33_1: 67.5,13.675 66,12.175 66,7.425 65.25,7.425 65.25,5.95 68.975,5.95 70.45,7.425 70.45,12.725 69.5,13.675
  region net VBAT1: 64.6,5.425 63.6,6.425 58.5,6.425 57.5,7.425 52.75,7.425 52.3,6.975 52.3,3.125 52.975,2.45 66.775,2.45 67.25,2.925 67.25,5.425
  region net NetC18_2: 24.5,28.175 25.4,29.075 34.324,29.075 35.249,30 36.975,30 37.65,30.675 38.25,30.675 38.25,26.875 37.675,26.875 36.875,27.675 36.025,27.675 34.5,26.15 25.075,26.15 24.5,26.725
  region net NetL1_1: 38,26.425 38.7,26.425 39.45,25.675 41.25,25.675 41.25,23.425 39.475,23.425 38.725,22.675 38,22.675
  region net NetL1_2: 52,26.175 51.5,25.675 48.5,25.675 48.5,23.175 49.15,23.175 49.3,23.325 51.5,23.325 52.1,22.725 52.7,22.725 52.7,26.175
  region net NetL1_1: 39.025,29.375 40.975,29.375 41.225,29.625 41.375,29.625 41.375,27.325 41.325,27.275 40.4,27.275 40.05,27.625 39.025,27.625
  region net POWER: 4.625,16.25 7.525,16.25 8.9,17.625 8.9,18.35 11.3,18.35 11.75,17.9 11.75,13.975 10.675,12.9 5.925,12.9 4.625,14.2
  region net DGND: 2.7,18.825 2.7,16.625 7.6,16.625 8.6,17.625 8.6,18.825
  region net VSYS: 57.5,40.075 57.55,40.125 58.725,40.125 58.825,40.025 58.825,38.975 59.075,38.725 59.075,34.4 56.225,34.4 56.225,38.55 56.55,38.875 57.5,38.875
  region net NetC57_1: 57.075,42.775 57,42.85 57,43.925 56.8,44.125 56.475,44.125 56.475,44.975 55.85,45.6 55.85,47.25 58.25,47.25 58.3,47.2 58.3,44.875 57.8,44.375 57.8,42.85 57.725,42.775
  region net VSYS: 70.55,40.1 71.725,40.1 71.8,40.025 71.8,38.65 71.9,38.55 71.9,34.375 69.425,34.375 69.425,38.8 70.5,38.8 70.5,40.05
  region net NetC45_1: 70,42.85 70.075,42.775 70.725,42.775 70.775,42.825 70.775,44.25 71.475,44.95 71.475,47.25 69.15,47.25 69.125,47.225 69.25,47.1 69.25,44.125 69.775,44.125 69.775,44.1 70,43.875
  region net 5V_CH5: 4.925,22.95 6.525,22.95 7.175,23.6 7.175,26.9 4.925,26.9 4.925,24.9
  region net 3V3: 42.525,69.725 44.3,69.725 44.4,69.625 44.4,68.475 44.8,68.075 44.8,63.9 42.7,63.9 42.7,65.775 42.525,65.95
  region net 3V3_CH4: 43.45,76.55 43.45,82.35 43.45,83.15 40.375,83.15 40.35,83.175 40.35,79.275 41.525,78.1 41.525,77.65 42.625,76.55
  region net 3V3_CH3: 45.425,82.95 45.45,82.925 48.575,82.925 48.575,81.775 49.2,81.15 49.2,78.65 47.95,78.65 45.425,81.175
  region net 5V_CH1: 74.1,76.55 74.1,80.1 73.825,80.375 71.675,80.375 71.525,80.225 71.525,78.5 71.825,78.2 72.2,78.2 72.475,77.925 72.475,77.425 72.8,77.1 73.35,76.55
  text "'.hwver'" at 72.275,6.875 h1
Signal Layer 1:
  region net 5V_CH1: 70.95,80.425 73.85,80.425 74.125,80.15 74.125,77.775 72.526,77.775 72.285,77.925 72.1,77.925 70.95,77.925
Ground Plane (plane layer: these items are gaps in the copper):
  lines w0.5: 0.51,31.071 6.05,31.071 6.05,61.257 9.807,61.257 13.3,61.257 36.368,61.257 39.1,58.525 39.1,43.375 ; 39.125,43.4 39.1,43.375 ; 88.55,25.75 81.625,25.75 81.6,25.775 81.6,31.175 79.95,32.825 50.575,32.825 48.675,34.725 48.675,39.7 47.2,41.175 39.7,41.175 39.1,41.775 39.1,43.375

## Silkscreen, mask and mechanical layers (free items; w line width, h text height)
Top Overlay:
  drawing of 25 lines, arcs and shapes, not listed
  text "X+" at 3,79.875 h1 r270
  text "3V3" at 87.3,76.35 h1 r90
  text "5V" at 87.3,68.9 h1 r90
  text "GND" at 87.3,62 h1 r90
  text "Y+" at 3,61.875 h1 r270
  text "UniPower" at 84.9,47.925 h2 r90
  text "Z+" at 3,44.125 h1 r270
  text "PRG" at 42.725,33.875 h1.2
  text "VSYS" at 87.35,25.425 h1 r90
  text "ADP" at 15.6,20.325 h1
  text "OTG" at 19.325,20.325 h1
  text "PHOT#" at 23.175,20.325 h1
  text "RBF" at 87.35,11.325 h1 r90
  text "FPP" at 2.7,9.6 h1.3 r270
  text "ESD" at 76.925,9.6 h4
  text "DGND" at 15.225,1.85 h1
  text "DGND" at 73.575,1.85 h1
  text "PULLUP" at 24.175,1.796 h1
Bottom Overlay:
  text "X-" at 3,78.125 h1 r270
  text "Y-" at 3,60.2 h1 r270
  text "Z-" at 3,43.45 h1 r270
Top Solder:
  text "'.hwver'" at 72.275,6.875 h1
Board:
  the board outline again, w0.2